# Altium PCB PCB-Mezzanine.PcbDoc (part 1 of 2) (continued)
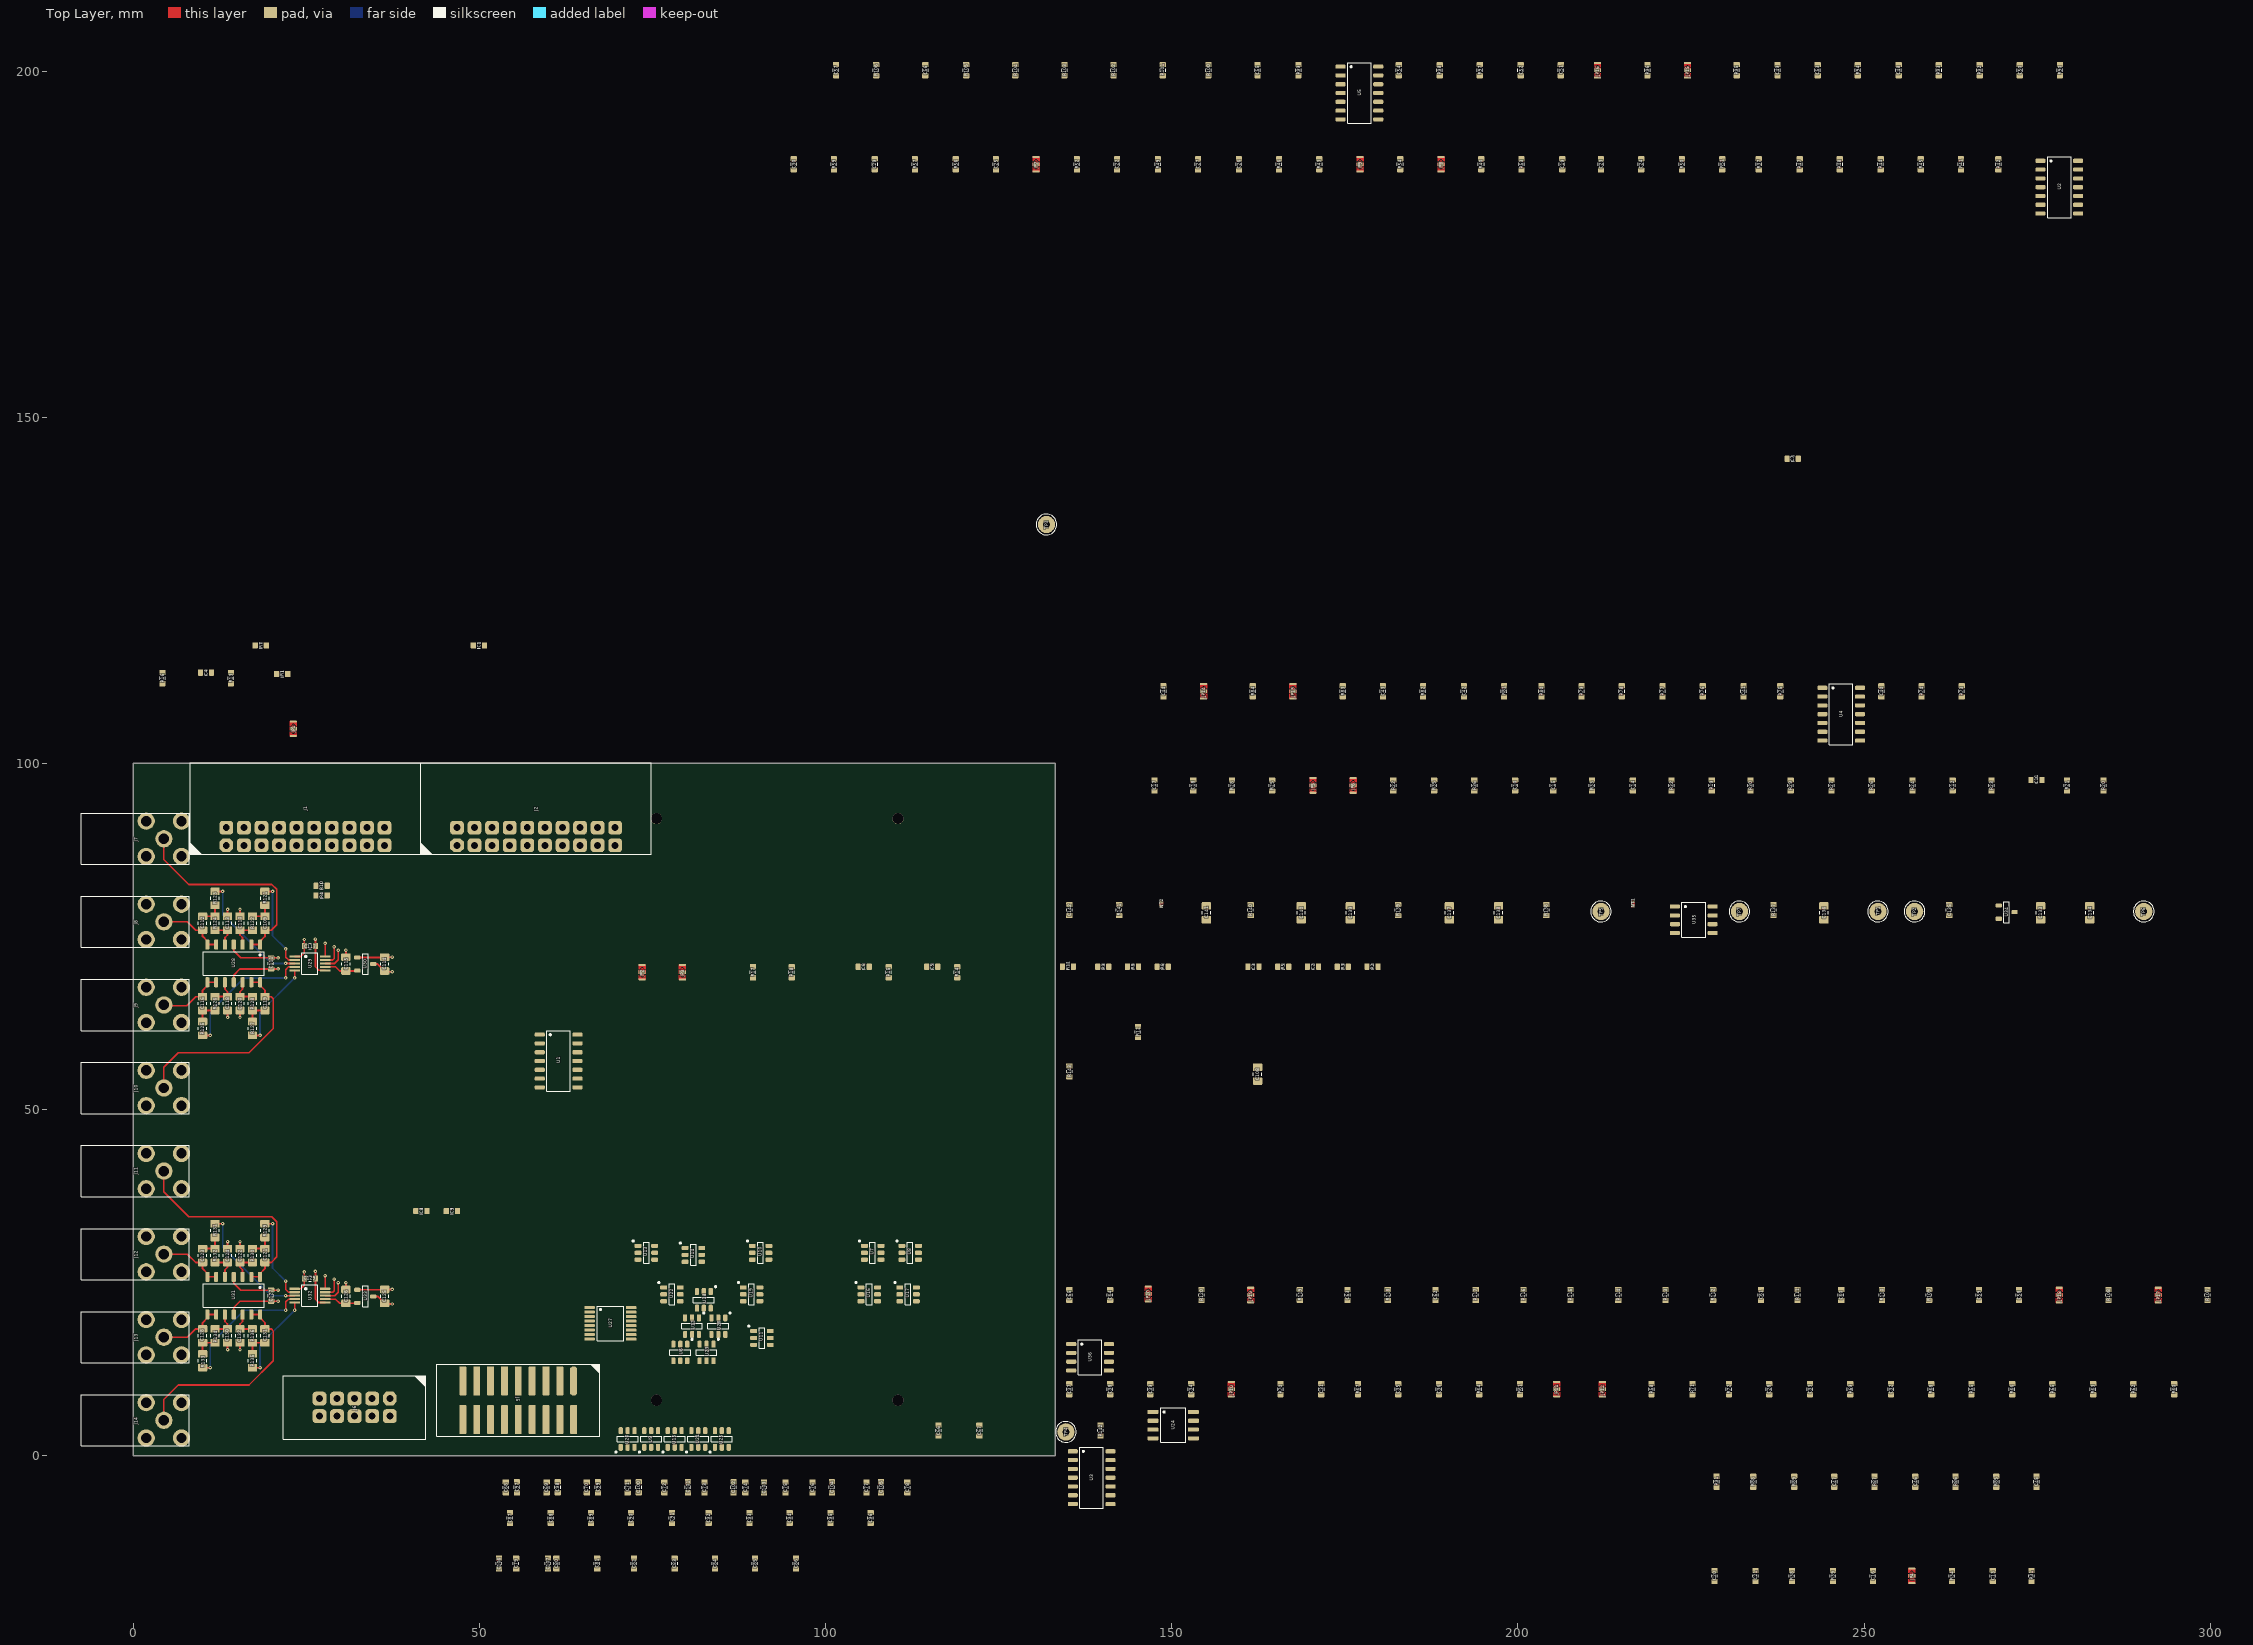
[diagram p0: Top Layer view]
## Components (designator, comment, footprint, x,y, rotation, side; value= is the part's Value field where it differs from the comment) (continued)
C81 "10nF" "CAPACITOR 1608 REFLOW" 67,-15.6 r90 top
C82 "1uF" "CAPACITOR 1608 REFLOW" 72.3,-15.6 r90 top
C83 "10nF" "CAPACITOR 1608 REFLOW" 78.2,-15.6 r90 top
C84 "1uF" "CAPACITOR 1608 REFLOW" 83.999,-15.6 r90 top
C85 "10nF" "CAPACITOR 1608 REFLOW" 89.799,-15.6 r90 top
C86 "1uF" "CAPACITOR 1608 REFLOW" 95.699,-15.6 r90 top
C87 "10nF" "CAPACITOR 1608 REFLOW" 54.399,-9 r90 top
C88 "1uF" "CAPACITOR 1608 REFLOW" 60.299,-9 r90 top
C89 "10nF" "CAPACITOR 1608 REFLOW" 66.099,-9 r90 top
C90 "1uF" "CAPACITOR 1608 REFLOW" 71.899,-9 r90 top
C91 "10nF" "CAPACITOR 1608 REFLOW" 77.799,-9 r90 top
C92 "1uF" "CAPACITOR 1608 REFLOW" 83.099,-9 r90 top
C93 "10nF" "CAPACITOR 1608 REFLOW" 88.999,-9 r90 top
C94 "1uF" "CAPACITOR 1608 REFLOW" 94.799,-9 r90 top
C95 "10nF" "CAPACITOR 1608 REFLOW" 100.699,-9 r90 top
C96 "1uF" "CAPACITOR 1608 REFLOW" 106.499,-9 r90 top
C97 "10nF" "CAPACITOR 1608 REFLOW" 55.399,-4.575 r90 top
C98 "1uF" "CAPACITOR 1608 REFLOW" 61.299,-4.575 r90 top
C99 "10nF" "CAPACITOR 1608 REFLOW" 67.099,-4.575 r90 top
C100 "1uF" "CAPACITOR 1608 REFLOW" 72.999,-4.575 r90 top
C101 "10nF" "CAPACITOR 1608 REFLOW" 80.099,-4.575 r90 top
C102 "1uF" "CAPACITOR 1608 REFLOW" 86.699,-4.575 r90 top
C103 "10nF" "CAPACITOR 1608 REFLOW" 91.1,-4.6 r90 top
C104 "1uF" "CAPACITOR 1608 REFLOW" 100.899,-4.575 r90 top
C105 "10nF" "CAPACITOR 1608 REFLOW" 107.999,-4.575 r90 top
C106 "1uF" "CAPACITOR 1608 REFLOW" 52.799,-15.575 r90 top
C107 "10nF" "CAPACITOR 1608 REFLOW" 59.899,-15.575 r90 top
C108 "100n" "CAPACITOR 2012 REFLOW" 162.4,55.1 r90 top
C109 "100p" "CAPACITOR 2012 REFLOW" 19.01,76.9 r270 top
C110 "150p" "CAPACITOR 2012 REFLOW" 15.4,76.9 r270 top
C111 "100n" "CAPACITOR 1608 REFLOW" 19.9,71.1 r90 top
C112 "100p" "CAPACITOR 2012 REFLOW" 10,76.9 r270 top
C113 "150p" "CAPACITOR 2012 REFLOW" 13.6,76.9 r270 top
C114 "100n" "CAPACITOR 2012 REFLOW" 36.3,71 r90 top
C115 "1u" "CAPACITOR 2012 REFLOW" 30.7,71 r270 top
C116 "100p" "CAPACITOR 2012 REFLOW" 9.99,65.3 r90 top
C117 "100n" "CAPACITOR 1608 REFLOW" 25.5,73.6 r180 top
C118 "150p" "CAPACITOR 2012 REFLOW" 13.6,65.3 r90 top
C119 "100p" "CAPACITOR 2012 REFLOW" 19.01,65.3 r90 top
C120 "150p" "CAPACITOR 2012 REFLOW" 15.4,65.3 r90 top
C121 "100p" "CAPACITOR 2012 REFLOW" 19,28.9 r270 top
C122 "150p" "CAPACITOR 2012 REFLOW" 15.4,28.9 r270 top
C123 "100p" "CAPACITOR 2012 REFLOW" 10,28.9 r270 top
C124 "150p" "CAPACITOR 2012 REFLOW" 13.6,28.9 r270 top
C125 "100n" "CAPACITOR 2012 REFLOW" 36.3,23 r90 top
C126 "1u" "CAPACITOR 2012 REFLOW" 30.7,23 r270 top
C127 "100n" "CAPACITOR 1608 REFLOW" 19.9,23.1 r90 top
C128 "100p" "CAPACITOR 2012 REFLOW" 10,17.3 r90 top
C129 "100n" "CAPACITOR 1608 REFLOW" 25.5,25.6 r180 top
C130 "150p" "CAPACITOR 2012 REFLOW" 13.6,17.3 r90 top
C131 "100p" "CAPACITOR 2012 REFLOW" 19,17.3 r90 top
C132 "150p" "CAPACITOR 2012 REFLOW" 15.4,17.3 r90 top
C133 "10uF" "CAPACITOR 2012 REFLOW" 275.499,78.4 r90 top
C134 "100nF" "CAPACITOR 2012 REFLOW" 282.599,78.4 r90 top
C135 "100n" "CAPACITOR 1608 REFLOW" 262.299,78.8 r90 top
C136 "3u3" "CAPACITOR 2012 REFLOW" 244.199,78.4 r90 top
C137 "10uF" "CAPACITOR 2012 REFLOW" 190.1,78.4 r90 top
C138 "100nF" "CAPACITOR 2012 REFLOW" 197.2,78.4 r90 top
C139 "10u" "CAPACITOR 2012 REFLOW" 175.8,78.4 r90 top
C140 "3u3" "CAPACITOR 2012 REFLOW" 168.7,78.4 r90 top
C141 "1u" "CAPACITOR 2012 REFLOW" 155,78.4 r90 top
C142 "100n" "CAPACITOR 1608 REFLOW" 135.2,78.8 r90 top
J1 "61202021621" "FlatCable2x10 2.54MM RIGHT ANGLE TH" 24.85,89.43 r180 top
J2 "61202021621" "FlatCable2x10 2.54MM RIGHT ANGLE TH" 58.17,89.43 r180 top
J3 "ERNI SMC-Q50-SMD-BA" "ERNI SMC-Q50-SMD-BA" 93,8 r180 bottom locked
J4 "ERNI SMC-Q50-SMD-BA" "ERNI SMC-Q50-SMD-BA" 93,92 r180 bottom locked
J5 "98464-G61-18ULF" "FlatCable2x9 2MM Straight SMD FCI 98414-G52-18ALF" 55.6,8 r180 top
J6 "61201021721" "FlatCable2x5 2.54MM Straight TH" 31.96,6.97 r180 top
J7 "CONSMA002-G" "SMA TH Right Angle Linx CONSMA002" 4.4,89.1 r0 top locked
J8 "CONSMA002-G" "SMA TH Right Angle Linx CONSMA002" 4.4,77.1 r0 top locked
J9 "CONSMA002-G" "SMA TH Right Angle Linx CONSMA002" 4.4,65.1 r0 top locked
J10 "CONSMA002-G" "SMA TH Right Angle Linx CONSMA002" 4.4,53.1 r0 top locked
J11 "CONSMA002-G" "SMA TH Right Angle Linx CONSMA002" 4.4,41.1 r0 top locked
J12 "CONSMA002-G" "SMA TH Right Angle Linx CONSMA002" 4.4,29.1 r0 top locked
J13 "CONSMA002-G" "SMA TH Right Angle Linx CONSMA002" 4.4,17.1 r0 top locked
J14 "CONSMA002-G" "SMA TH Right Angle Linx CONSMA002" 4.4,5.1 r0 top locked
JP1 "{Value}" "JUMPER3 SMD 1608" 23.1,105 r90 top
JP2 "{Value}" "JUMPER3 SMD 1608" 73.498,69.825 r90 top
JP3 "{Value}" "JUMPER3 SMD 1608" 79.298,69.825 r90 top
JP4 "{Value}" "JUMPER3 SMD 1608" 256.899,-17.375 r90 top
JP5 "{Value}" "JUMPER3 SMD 1608" 170.399,96.8 r90 top
JP6 "{Value}" "JUMPER3 SMD 1608" 176.199,96.8 r90 top
JP7 "{Value}" "JUMPER3 SMD 1608" 130.399,186.525 r90 top
JP8 "{Value}" "JUMPER3 SMD 1608" 188.899,186.525 r90 top
JP9 "{Value}" "JUMPER3 SMD 1608" 177.199,186.525 r90 top
JP10 "{Value}" "JUMPER3 SMD 1608" 158.6,9.6 r90 top
JP11 "{Value}" "JUMPER3 SMD 1608" 205.6,9.6 r90 top
JP12 "{Value}" "JUMPER3 SMD 1608" 212.2,9.6 r90 top
JP13 "{Value}" "JUMPER3 SMD 1608" 167.499,110.4 r90 top
JP14 "{Value}" "JUMPER3 SMD 1608" 154.599,110.4 r90 top
JP15 "{Value}" "JUMPER3 SMD 1608" 224.499,200.125 r90 top
JP16 "{Value}" "JUMPER3 SMD 1608" 211.499,200.125 r90 top
JP17 "{Value}" "JUMPER3 SMD 1608" 292.499,23.2 r90 top
JP18 "{Value}" "JUMPER3 SMD 1608" 278.199,23.2 r90 top
JP19 "{Value}" "JUMPER3 SMD 1608" 161.4,23.2 r90 top
JP20 "{Value}" "JUMPER3 SMD 1608" 146.6,23.35 r90 top
NT1 "Net Tie" "NET TIE 1005" 216.6,79.7 r90 top net-tie
NT2 "Net Tie" "NET TIE 1005" 148.5,79.7 r90 top net-tie
R1 "18k" "RESISTOR 1608 REFLOW" 21.5,112.9 r0 top
R2 "18k" "RESISTOR 1608 REFLOW" 178.998,70.625 r0 top
R3 "18k" "RESISTOR 1608 REFLOW" 174.698,70.625 r0 top
R4 "8k2" "RESISTOR 1608 REFLOW" 27.198,80.925 r0 top
R5 "8k2" "RESISTOR 1608 REFLOW" 166.098,70.625 r0 top
R6 "8k2" "RESISTOR 1608 REFLOW" 148.698,70.625 r0 top
R7 "82R" "RESISTOR 1608 REFLOW" 18.399,117.025 r0 top
R8 "82R" "RESISTOR 1608 REFLOW" 144.398,70.625 r0 top
R9 "82R" "RESISTOR 1608 REFLOW" 140.098,70.625 r0 top
R10 "8k2" "RESISTOR 1608 REFLOW" 27.2,82.3 r0 top
R11 "8k2" "RESISTOR 1608 REFLOW" 134.998,70.625 r0 top
R12 "8k2" "RESISTOR 1608 REFLOW" 145.1,61.2 r90 top
R13 "10k" "RESISTOR 1608 REFLOW" 14.1,112.3 r90 top
R14 "10k" "RESISTOR 1608 REFLOW" 118.998,69.825 r90 top
R15 "10k" "RESISTOR 1608 REFLOW" 109.098,69.825 r90 top
R16 "18k" "RESISTOR 1608 REFLOW" 4.2,112.3 r90 top
R17 "18k" "RESISTOR 1608 REFLOW" 89.498,69.825 r90 top
R18 "18k" "RESISTOR 1608 REFLOW" 95.098,69.825 r90 top
R19 "18k" "RESISTOR 1608 REFLOW" 227.999,96.8 r90 top
R20 "18k" "RESISTOR 1608 REFLOW" 284.599,96.8 r90 top
R21 "18k" "RESISTOR 1608 REFLOW" 279.299,96.8 r90 top
R22 "8k2" "RESISTOR 1608 REFLOW" 181.999,96.8 r90 top
R23 "8k2" "RESISTOR 1608 REFLOW" 268.399,96.8 r90 top
R24 "8k2" "RESISTOR 1608 REFLOW" 256.999,96.8 r90 top
R25 "82R" "RESISTOR 1608 REFLOW" 164.499,96.8 r90 top
R26 "82R" "RESISTOR 1608 REFLOW" 251.099,96.8 r90 top
R27 "82R" "RESISTOR 1608 REFLOW" 245.299,96.8 r90 top
R28 "8k2" "RESISTOR 1608 REFLOW" 158.699,96.8 r90 top
R29 "8k2" "RESISTOR 1608 REFLOW" 239.399,96.8 r90 top
R30 "8k2" "RESISTOR 1608 REFLOW" 233.599,96.8 r90 top
R31 "10k" "RESISTOR 1608 REFLOW" 274.199,-17.375 r90 top
R32 "10k" "RESISTOR 1608 REFLOW" 222.199,96.8 r90 top
R33 "10k" "RESISTOR 1608 REFLOW" 210.699,96.8 r90 top
R34 "18k" "RESISTOR 1608 REFLOW" 262.699,-17.375 r90 top
R35 "18k" "RESISTOR 1608 REFLOW" 187.899,96.8 r90 top
R36 "18k" "RESISTOR 1608 REFLOW" 193.699,96.8 r90 top
R37 "18k" "RESISTOR 1608 REFLOW" 234.799,186.525 r90 top
R38 "18k" "RESISTOR 1608 REFLOW" 239.599,-17.375 r90 top
R39 "18k" "RESISTOR 1608 REFLOW" 245.499,-17.375 r90 top
R40 "8k2" "RESISTOR 1608 REFLOW" 194.699,186.525 r90 top
R41 "8k2" "RESISTOR 1608 REFLOW" 263.999,186.525 r90 top
R42 "8k2" "RESISTOR 1608 REFLOW" 269.399,186.525 r90 top
R43 "82R" "RESISTOR 1608 REFLOW" 171.299,186.525 r90 top
R44 "82R" "RESISTOR 1608 REFLOW" 252.399,186.525 r90 top
R45 "82R" "RESISTOR 1608 REFLOW" 258.199,186.525 r90 top
R46 "8k2" "RESISTOR 1608 REFLOW" 165.499,186.525 r90 top
R47 "8k2" "RESISTOR 1608 REFLOW" 240.699,186.525 r90 top
R48 "8k2" "RESISTOR 1608 REFLOW" 246.499,186.525 r90 top
R49 "10k" "RESISTOR 1608 REFLOW" 147.999,186.525 r90 top
R50 "10k" "RESISTOR 1608 REFLOW" 223.699,186.525 r90 top
R51 "10k" "RESISTOR 1608 REFLOW" 229.499,186.525 r90 top
R52 "18k" "RESISTOR 1608 REFLOW" 136.299,186.525 r90 top
R53 "18k" "RESISTOR 1608 REFLOW" 200.499,186.525 r90 top
R54 "18k" "RESISTOR 1608 REFLOW" 182.999,186.525 r90 top
R55 "18k" "RESISTOR 1608 REFLOW" 265.499,9.6 r90 top
R56 "18k" "RESISTOR 1608 REFLOW" 118.799,186.525 r90 top
R57 "18k" "RESISTOR 1608 REFLOW" 112.899,186.525 r90 top
R58 "8k2" "RESISTOR 1608 REFLOW" 219.3,9.6 r90 top
R59 "8k2" "RESISTOR 1608 REFLOW" 101.199,186.525 r90 top
R60 "8k2" "RESISTOR 1608 REFLOW" 294.799,9.6 r90 top
R61 "82R" "RESISTOR 1608 REFLOW" 200.3,9.6 r90 top
R62 "82R" "RESISTOR 1608 REFLOW" 288.899,9.6 r90 top
R63 "82R" "RESISTOR 1608 REFLOW" 283.099,9.6 r90 top
R64 "8k2" "RESISTOR 1608 REFLOW" 194.4,9.6 r90 top
R65 "8k2" "RESISTOR 1608 REFLOW" 277.199,9.6 r90 top
R66 "8k2" "RESISTOR 1608 REFLOW" 271.399,9.6 r90 top
R67 "10k" "RESISTOR 1608 REFLOW" 176.9,9.6 r90 top
R68 "10k" "RESISTOR 1608 REFLOW" 259.699,9.6 r90 top
R69 "10k" "RESISTOR 1608 REFLOW" 247.999,9.6 r90 top
R70 "18k" "RESISTOR 1608 REFLOW" 165.7,9.6 r90 top
R71 "18k" "RESISTOR 1608 REFLOW" 225.199,9.6 r90 top
R72 "18k" "RESISTOR 1608 REFLOW" 230.499,9.6 r90 top
R73 "18k" "RESISTOR 1608 REFLOW" 264.099,110.4 r90 top
R74 "18k" "RESISTOR 1608 REFLOW" 258.299,110.4 r90 top
R75 "8k2" "RESISTOR 1608 REFLOW" 237.899,110.4 r90 top
R76 "8k2" "RESISTOR 1608 REFLOW" 226.699,110.4 r90 top
R77 "82R" "RESISTOR 1608 REFLOW" 220.899,110.4 r90 top
R78 "82R" "RESISTOR 1608 REFLOW" 214.999,110.4 r90 top
R79 "8k2" "RESISTOR 1608 REFLOW" 209.199,110.4 r90 top
R80 "8k2" "RESISTOR 1608 REFLOW" 203.399,110.4 r90 top
R81 "10k" "RESISTOR 1608 REFLOW" 197.999,110.4 r90 top
R82 "10k" "RESISTOR 1608 REFLOW" 186.299,110.4 r90 top
R83 "18k" "RESISTOR 1608 REFLOW" 174.699,110.4 r90 top
R84 "18k" "RESISTOR 1608 REFLOW" 161.699,110.4 r90 top
R85 "18k" "RESISTOR 1608 REFLOW" 269.099,-3.775 r90 top
R86 "18k" "RESISTOR 1608 REFLOW" 263.199,-3.775 r90 top
R87 "8k2" "RESISTOR 1608 REFLOW" 251.499,-3.775 r90 top
R88 "8k2" "RESISTOR 1608 REFLOW" 233.999,-3.775 r90 top
R89 "82R" "RESISTOR 1608 REFLOW" 239.899,-3.775 r90 top
R90 "82R" "RESISTOR 1608 REFLOW" 278.299,200.125 r90 top
R91 "8k2" "RESISTOR 1608 REFLOW" 228.699,-3.775 r90 top
R92 "8k2" "RESISTOR 1608 REFLOW" 266.699,200.125 r90 top
R93 "10k" "RESISTOR 1608 REFLOW" 260.799,200.125 r90 top
R94 "10k" "RESISTOR 1608 REFLOW" 249.099,200.125 r90 top
R95 "18k" "RESISTOR 1608 REFLOW" 231.599,200.125 r90 top
R96 "18k" "RESISTOR 1608 REFLOW" 218.699,200.125 r90 top
R97 "18k" "RESISTOR 1608 REFLOW" 194.499,200.125 r90 top
R98 "18k" "RESISTOR 1608 REFLOW" 188.699,200.125 r90 top
R99 "8k2" "RESISTOR 1608 REFLOW" 168.299,200.125 r90 top
R100 "8k2" "RESISTOR 1608 REFLOW" 155.299,200.125 r90 top
R101 "82R" "RESISTOR 1608 REFLOW" 148.699,200.125 r90 top
R102 "82R" "RESISTOR 1608 REFLOW" 141.599,200.125 r90 top
R103 "8k2" "RESISTOR 1608 REFLOW" 134.499,200.125 r90 top
R104 "8k2" "RESISTOR 1608 REFLOW" 127.399,200.125 r90 top
R105 "10k" "RESISTOR 1608 REFLOW" 120.299,200.125 r90 top
R106 "10k" "RESISTOR 1608 REFLOW" 107.299,200.125 r90 top
R107 "18k" "RESISTOR 1608 REFLOW" 299.599,23.2 r90 top
R108 "18k" "RESISTOR 1608 REFLOW" 285.299,23.2 r90 top
R109 "18k" "RESISTOR 1608 REFLOW" 259.399,23.2 r90 top
R110 "18k" "RESISTOR 1608 REFLOW" 252.599,23.2 r90 top
R111 "8k2" "RESISTOR 1608 REFLOW" 240.399,23.2 r90 top
R112 "8k2" "RESISTOR 1608 REFLOW" 228.199,23.2 r90 top
R113 "82R" "RESISTOR 1608 REFLOW" 221.3,23.2 r90 top
R114 "82R" "RESISTOR 1608 REFLOW" 214.5,23.2 r90 top
R115 "8k2" "RESISTOR 1608 REFLOW" 207.6,23.2 r90 top
R116 "8k2" "RESISTOR 1608 REFLOW" 200.8,23.2 r90 top
R117 "10k" "RESISTOR 1608 REFLOW" 193.9,23.2 r90 top
R118 "10k" "RESISTOR 1608 REFLOW" 181.2,23.2 r90 top
R119 "18k" "RESISTOR 1608 REFLOW" 168.5,23.2 r90 top
R120 "18k" "RESISTOR 1608 REFLOW" 154.3,23.2 r90 top
R121 "3k3" "RESISTOR 2012 REFLOW" 19,80.5 r270 top
R122 "3k6" "RESISTOR 2012 REFLOW" 17.2,76.9 r270 top
R123 "3k3" "RESISTOR 2012 REFLOW" 11.8,80.5 r270 top
R124 "3k6" "RESISTOR 2012 REFLOW" 11.8,76.9 r270 top
R125 "3k3" "RESISTOR 2012 REFLOW" 10,61.7 r90 top
R126 "3k6" "RESISTOR 2012 REFLOW" 11.8,65.3 r90 top
R127 "3k3" "RESISTOR 2012 REFLOW" 17.2,61.7 r90 top
R128 "3k6" "RESISTOR 2012 REFLOW" 17.2,65.3 r90 top
R129 "3k3" "RESISTOR 2012 REFLOW" 19,32.5 r270 top
R130 "3k6" "RESISTOR 2012 REFLOW" 17.2,28.9 r270 top
R131 "3k3" "RESISTOR 2012 REFLOW" 11.8,32.5 r270 top
R132 "3k6" "RESISTOR 2012 REFLOW" 11.8,28.9 r270 top
R133 "3k3" "RESISTOR 2012 REFLOW" 10,13.7 r90 top
R134 "3k6" "RESISTOR 2012 REFLOW" 11.8,17.3 r90 top
R135 "3k3" "RESISTOR 2012 REFLOW" 17.2,13.7 r90 top
R136 "3k6" "RESISTOR 2012 REFLOW" 17.2,17.3 r90 top
R137 "10k / 0.1%" "RESISTOR 1608 REFLOW" 236.899,78.8 r90 top
R138 "56R" "RESISTOR 1608 REFLOW" 204.1,78.8 r90 top
R139 "10k" "RESISTOR 1608 REFLOW" 182.7,78.8 r90 top
R140 "10k / 0.1%" "RESISTOR 1608 REFLOW" 161.4,78.8 r90 top
R141 "560R" "RESISTOR 1608 REFLOW" 142.4,78.8 r90 top
R142 "0" "RESISTOR 1608 REFLOW" 139.699,3.625 r90 top
R143 "100" "RESISTOR 1608 REFLOW" 135.2,55.5 r90 top
TP1 "*" "Test Point Keystone Miniature BLACK" 251.999,78.6 r0 top
TP2 "*" "Test Point Keystone Miniature BLACK" 257.299,78.6 r0 top
TP3 "*" "Test Point Keystone Miniature RED" 131.9,134.5 r0 top
TP4 "*" "Test Point Keystone Miniature RED" 134.699,3.425 r0 top
TP5 "*" "Test Point Keystone Miniature RED" 212,78.6 r0 top
TP6 "*" "Test Point Keystone Miniature BLACK" 290.399,78.6 r0 top
TP7 "*" "Test Point Keystone Miniature BLACK" 231.999,78.6 r0 top
U1 "*" "SO14 P1.27 C4.0X8.8 H1.75" 61.425,57 r0 top
U2 "*" "SO14 P1.27 C4.0X8.8 H1.75" 278.199,183.225 r0 top
U3 "*" "SO14 P1.27 C4.0X8.8 H1.75" 138.425,-3.19 r0 top
U4 "*" "SO14 P1.27 C4.0X8.8 H1.75" 246.699,107.1 r0 top
U5 "*" "SO14 P1.27 C4.0X8.8 H1.75" 177.099,196.825 r0 top
U6 "ADS7886SBDCKT" "SOT23-6 P0.95 C1.5x3.0 H1.3" 79,14.9 r270 top
U7 "ADS7886SBDCKT" "SOT23-6 P0.95 C1.5x3.0 H1.3" 106.799,29.3 r0 top
U8 "ADS7886SBDCKT" "SOT23-6 P0.95 C1.5x3.0 H1.3" 112.199,29.3 r0 top
U9 "ADS7886SBDCKT" "SOT23-6 P0.95 C1.5x3.0 H1.3" 74.8,2.4 r90 top
U10 "ADS7886SBDCKT" "SOT23-6 P0.95 C1.5x3.0 H1.3" 90.599,29.3 r0 top
U11 "ADS7886SBDCKT" "SOT23-6 P0.95 C1.5x3.0 H1.3" 90.8,17 r0 top
U12 "ADS7886SBDCKT" "SOT23-6 P0.95 C1.5x3.0 H1.3" 80.7,18.7 r270 top
U13 "ADS7886SBDCKT" "SOT23-6 P0.95 C1.5x3.0 H1.3" 74.1,29.3 r0 top
U14 "ADS7886SBDCKT" "SOT23-6 P0.95 C1.5x3.0 H1.3" 80.9,29 r0 top
U15 "ADS7886SBDCKT" "SOT23-6 P0.95 C1.5x3.0 H1.3" 78.2,2.4 r90 top
U16 "ADS7886SBDCKT" "SOT23-6 P0.95 C1.5x3.0 H1.3" 106.3,23.3 r0 top
U17 "ADS7886SBDCKT" "SOT23-6 P0.95 C1.5x3.0 H1.3" 111.9,23.3 r0 top
U18 "ADS7886SBDCKT" "SOT23-6 P0.95 C1.5x3.0 H1.3" 82.4,22.5 r270 top
U19 "ADS7886SBDCKT" "SOT23-6 P0.95 C1.5x3.0 H1.3" 89.3,23.3 r0 top
U20 "ADS7886SBDCKT" "SOT23-6 P0.95 C1.5x3.0 H1.3" 71.4,2.4 r90 top
U21 "ADS7886SBDCKT" "SOT23-6 P0.95 C1.5x3.0 H1.3" 81.6,2.4 r90 top
U22 "ADS7886SBDCKT" "SOT23-6 P0.95 C1.5x3.0 H1.3" 77.8,23.3 r0 top
U23 "ADS7886SBDCKT" "SOT23-6 P0.95 C1.5x3.0 H1.3" 82.8,14.9 r270 top
U24 "LT1461ACS8" "SO8 P1.27 C4.0X5.0 H1.75"#1 150.2,4.4 r0 top
U25 "ADS7886SBDCKT" "SOT23-6 P0.95 C1.5x3.0 H1.3" 85,2.4 r90 top
U26 "ADS7886SBDCKT" "SOT23-6 P0.95 C1.5x3.0 H1.3" 84.5,18.7 r270 top
U27 "DS90LV047ATMTC/NOPB" "TSSOP16 P0.65 C5.0x4.5 H1.1" 68.9,19.1 r0 top
U28 "AD8648ARZ-REEL7" "SO14 P1.27 C4.0X8.8 H1.75" 14.5,71.1 r270 top
U29 "DAC124S085CIMM/NOPB" "VSSOP10 P0.5 C3.1X3.1 H1.1" 25.5,71.1 r0 top
U30 "REF3130AIDBZTG4" "SOT23 P0.95 C1.6x3.0 H1.3" 33.5,71 r0 top
U31 "AD8648ARZ-REEL7" "SO14 P1.27 C4.0X8.8 H1.75" 14.5,23.1 r270 top
U32 "DAC124S085CIMM/NOPB" "VSSOP10 P0.5 C3.1X3.1 H1.1" 25.5,23.1 r0 top
U33 "REF3130AIDBZTG4" "SOT23 P0.95 C1.6x3.0 H1.3" 33.5,23 r0 top
U34 "REF3130AIDBZTG4" "SOT23 P0.95 C1.6x3.0 H1.3" 270.599,78.5 r0 top
U35 "AD8646ARZ-REEL7" "SO8 P1.27 C4.0X5.0 H1.75"#2 225.399,77.4 r0 top
U36 "DS90LV018ATM" "SO8 P1.27 C4.0X5.0 H1.75"#2 138.2,14.2 r0 top

## Footprints (in the part's own frame and the unit in brackets; to place one, negate y for a bottom-side part, rotate by r counter-clockwise, add the part's x,y. Pads: shape width x height; smd on the part's side, far side on the other; paste and mask are expansions set on the pad)
"CAPACITOR 1608 REFLOW" [mm] "Capacitor SMD 1.6x0.8mm (0603-imperial)"
  rrect25% 0.75x0.9 smd: 1(-0.8,0) 2(0.8,0)
  silkscreen extent -0.2,-0.4 0.2,0.4, body extent -0.8,-0.4 0.8,0.4, height 0.8
"CAPACITOR 2012 REFLOW" [mm] "Capacitor SMD 2.0x1.2mm (0805-imperial)"
  rrect25% 1.1x1.35 smd: 1(-1,0) 2(1,0)
  silkscreen extent -0.2,-0.6 0.2,0.6, body extent -1,-0.6 1,0.6, height 1
"ERNI SMC-Q50-SMD-BA" [mm] "Male 1.27 pitch 2x20 pin connector, 6.75 height"
  rect 1.2x2.7 smd: 0(-17.75,-2.45) 0(-17.75,2.45) 0(17.75,-2.45) 0(17.75,2.45)
  round 1.6 hole 1.6 unplated: 0(-17.45,0) 0(17.45,0)
  rrect25% 0.8x1.1 smd: a1(15.24,-2.75) a1(15.24,-2.75) a2(13.97,-2.75) a3(12.7,-2.75) a4(11.43,-2.75) a5(10.16,-2.75) a6(8.89,-2.75) a7(7.62,-2.75) a8(6.35,-2.75) a9(5.08,-2.75) a10(3.81,-2.75) a11(2.54,-2.75) a12(1.27,-2.75) a13(0,-2.75) a14(-1.27,-2.75) a15(-2.54,-2.75) a16(-3.81,-2.75) a17(-5.08,-2.75) a18(-6.35,-2.75) a19(-7.62,-2.75) a20(-8.89,-2.75) a21(-10.16,-2.75) a22(-11.43,-2.75) a23(-12.7,-2.75) a24(-13.97,-2.75) a25(-15.24,-2.75) b1(15.24,2.75) b1(15.24,2.75) b2(13.97,2.75) b3(12.7,2.75) b4(11.43,2.75) b5(10.16,2.75) b6(8.89,2.75) b7(7.62,2.75) b8(6.35,2.75) b9(5.08,2.75) b10(3.81,2.75) b11(2.54,2.75) b12(1.27,2.75) b13(0,2.75) b14(-1.27,2.75) b15(-2.54,2.75) b16(-3.81,2.75) b17(-5.08,2.75) b18(-6.35,2.75) b19(-7.62,2.75) b20(-8.89,2.75) b21(-10.16,2.75) b22(-11.43,2.75) b23(-12.7,2.75) b24(-13.97,2.75) b25(-15.24,2.75)
  silkscreen extent -19,-4.1 19,4.1, body extent -18.42,-3.5 18.41,3.5, height 6.8
"FlatCable2x5 2.54MM Straight TH" [mm] "FlatCable2x5 2.54MM Straight TH, DIN 41651, Generic"
  oct 2x2 hole 1: 1(-5.08,-1.27)
  rrect50% 2x2 hole 1: 2(-5.08,1.27) 3(-2.54,-1.27) 4(-2.54,1.27) 5(0,-1.27) 6(0,1.27) 7(2.54,-1.27) 8(2.54,1.27) 9(5.08,-1.27) 10(5.08,1.27)
  silkscreen extent -10.3,-4.59 10.29,4.57, body extent -10.16,-4.45 10.16,4.46, height 9.1
"FlatCable2x9 2MM Straight SMD FCI 98414-G52-18ALF" [mm] "FlatCable2x9 2MM Straight SMD FCI 98414-G52-18ALF"
  oct 1x4.2 smd: 1(-8,-2.8)
  rrect25% 1x4.2 smd: 2(-8,2.8) 3(-6,-2.8) 4(-6,2.8) 5(-4,-2.8) 6(-4,2.8) 7(-2,-2.8) 8(-2,2.8) 9(0,-2.8) 10(0,2.8) 11(2,-2.8) 12(2,2.8) 13(4,-2.8) 14(4,2.8) 15(6,-2.8) 16(6,2.8) 17(8,-2.8) 18(8,2.8)
  silkscreen extent -11.8,-5.2 11.8,5.2, body extent -10,-4.2 10,4.2, height 6.2
"FlatCable2x10 2.54MM RIGHT ANGLE TH" [mm] "FlatCable2x10 2.54MM Right Angle TH, DIN 41651, Generic"
  oct 2x2 hole 1: 1(11.43,1.27)
  rrect50% 2x2 hole 1: 2(11.43,-1.27) 3(8.89,1.27) 4(8.89,-1.27) 5(6.35,1.27) 6(6.35,-1.27) 7(3.81,1.27) 8(3.81,-1.27) 9(1.27,1.27) 10(1.27,-1.27) 11(-1.27,1.27) 12(-1.27,-1.27) 13(-3.81,1.27) 14(-3.81,-1.27) 15(-6.35,1.27) 16(-6.35,-1.27) 17(-8.89,1.27) 18(-8.89,-1.27) 19(-11.43,1.27) 20(-11.43,-1.27)
  silkscreen extent -16.64,-10.67 16.64,2.54, body extent -16.51,-10.54 16.51,1.57, height 9.2
"JUMPER3 SMD 1608" [mm] "JUMPER SMD 3LEADS 1608 (0603-Imperial)"
  rrect50% 0.3x1 smd paste-0.8 mask-0.5: 1(-1.05,0) 3(1.05,0)
  rect 0.5x1 smd paste-0.8 mask-0.5: 2(0,0)
  Top Layer region: 1.1,-0.5 1.1,0.5 0.45,0.5 0.45,0.4 0.8,0.05 0.8,-0.05 0.45,-0.4 0.45,-0.5
  Top Layer region: -0.25,0.4 -0.6,0.05 -0.6,-0.05 -0.25,-0.4 -0.25,-0.5 0.25,-0.5 0.25,-0.4 0.6,-0.05 0.6,0.05 0.25,0.4 0.25,0.5 0.1,0.5 -0.25,0.5
  Top Layer region: -1.1,0.5 -1.1,-0.5 -0.45,-0.5 -0.45,-0.4 -0.8,-0.05 -0.8,0.05 -0.45,0.4 -0.45,0.5
"NET TIE 1005" [mm] "Net Tie, connect two different net without DRC error"
  rrect25% 0.4x0.5 smd paste-0.8 mask+0: 1(-0.3,0) 2(0.3,0)
  Top Layer region: -0.3,0.25 -0.3,-0.25 0.325,-0.25 0.325,0.25
"RESISTOR 1608 REFLOW" [mm] "Resistor SMD 1.6x0.8mm (0603-imperial)"
  rrect25% 0.75x0.9 smd: 1(-0.8,0) 2(0.8,0)
  silkscreen extent -0.2,-0.4 0.2,0.4, body extent -0.77,-0.42 0.78,0.43, height 0.45
"RESISTOR 2012 REFLOW" [mm] "Resistor SMD 2.0x1.2mm (0805-imperial)"
  rrect25% 1.1x1.35 smd: 1(-1,0) 2(1,0)
  silkscreen extent -0.2,-0.6 0.2,0.6, body extent -1,-0.62 1,0.63, height 0.45
"SMA TH Right Angle Linx CONSMA002" [mm] "Connector SMA TH Right Angle Linx CONSMA002"
  round 2.5 hole 1.5: 1(0,0) 2(-2.55,-2.55) 2(-2.55,2.55) 2(2.55,-2.55) 2(2.55,2.55)
  silkscreen extent -11.9,-3.7 3.7,3.7, body extent -11.71,-3.5 3.5,3.5, height 10
"SO8 P1.27 C4.0X5.0 H1.75"#1 [mm] "8-Pin Small Outline Integrated Circuit 1.27 mm Pitch, IPC Medium Density"
  rrect50% 1.6x0.6 smd: 1(-2.921,1.905) 2(-2.921,0.635) 3(-2.921,-0.635) 4(-2.921,-1.905) 5(2.921,-1.905) 6(2.921,-0.635) 7(2.921,0.635) 8(2.921,1.905)
  silkscreen extent -1.8,-2.5 1.8,2.5, body extent -2,-2.5 2,2.5, height 1.76
"SO8 P1.27 C4.0X5.0 H1.75"#2 [mm] "8-Pin Small Outline Integrated Circuit 1.27 mm Pitch, IPC Medium Density"
  rrect50% 1.45x0.6 smd: 1(-2.725,1.905) 2(-2.725,0.635) 3(-2.725,-0.635) 4(-2.725,-1.905) 5(2.725,-1.905) 6(2.725,-0.635) 7(2.725,0.635) 8(2.725,1.905)
  silkscreen extent -1.7,-2.5 1.7,2.5, body extent -2,-2.5 2,2.5, height 1.76
"SO14 P1.27 C4.0X8.8 H1.75" [mm] "SOIC, 14-Leads, Body 4.0X8.8mm, Pitch 1.27mm, IPC Medium Density"
  rrect50% 1.45x0.6 smd: 1(-2.725,3.81) 2(-2.725,2.54) 3(-2.725,1.27) 4(-2.725,0) 5(-2.725,-1.27) 6(-2.725,-2.54) 7(-2.725,-3.81) 8(2.725,-3.81) 9(2.725,-2.54) 10(2.725,-1.27) 11(2.725,0) 12(2.725,1.27) 13(2.725,2.54) 14(2.725,3.81)
  silkscreen extent -1.7,-4.4 1.7,4.4, body extent -2,-4.4 2,4.4, height 1.76
"SOT23 P0.95 C1.6x3.0 H1.3" [mm] "SOT23, 3-Leads, Body 1.6x3.0mm, Pitch 0.95mm, IPC Medium Density"
  rrect50% 0.9x0.6 smd: 1(-1.15,0.95) 2(-1.15,-0.95) 3(1.15,0)
  silkscreen extent -0.4,-1.5 0.4,1.5, body extent -0.8,-1.5 0.8,1.5, height 1.3
"SOT23-6 P0.95 C1.5x3.0 H1.3" [mm] "SOT23, 6-Leads, Body 1.6x3.0mm, Pitch 0.95mm, IPC Medium Density"
  rrect50% 1x0.6 smd: 1(-1.2,1) 2(-1.2,0) 3(-1.2,-1) 4(1.2,-1) 5(1.2,0) 6(1.2,1)
  silkscreen extent -2,-1.5 0.4,1.8, body extent -0.8,-1.5 0.8,1.5, height 1.31
"Test Point Keystone Miniature BLACK" [mm] "Test Point Keystone Miniature BLACK"
  round 2.5 hole 1: 1(0,0)
  silkscreen extent -1.5,-1.5 1.5,1.5, body extent -1.25,-1.25 1.25,1.25, height 5
"Test Point Keystone Miniature RED" [mm] "Test Point Keystone Miniature RED"
  round 2.5 hole 1: 1(0,0)
  silkscreen extent -1.5,-1.5 1.5,1.5, body extent -1.25,-1.25 1.25,1.25, height 5
"TSSOP16 P0.65 C5.0x4.5 H1.1" [mm] "TSSOP-16 NXP"
  rrect50% 1.5x0.45 smd: 1(-3,2.275) 2(-3,1.625) 3(-3,0.975) 4(-3,0.325) 5(-3,-0.325) 6(-3,-0.975) 7(-3,-1.625) 8(-3,-2.275) 9(3,-2.275) 10(3,-1.625) 11(3,-0.975) 12(3,-0.325) 13(3,0.325) 14(3,0.975) 15(3,1.625) 16(3,2.275)
  silkscreen extent -1.9,-2.5 1.9,2.5, body extent -2.25,-2.5 2.25,2.5, height 1.1
"VSSOP10 P0.5 C3.1X3.1 H1.1" [mm] "VSSOP, 10-Leads, Body 3.10x3.1mm, Pitch 0.5mm, Height 1.1"
  rrect25% 1.5x0.3 smd: 1(-2.2,1) 2(-2.2,0.5) 3(-2.2,0) 4(-2.2,-0.5) 5(-2.2,-1) 6(2.2,-1) 7(2.2,-0.5) 8(2.2,0) 9(2.2,0.5) 10(2.2,1)
  silkscreen extent -1.15,-1.55 1.15,1.55, body extent -1.55,-1.55 1.55,1.55, height 1.11